# Altium PCB LimePSB-RPCM_1v5.PcbDoc (part 6 of 12) (continued)
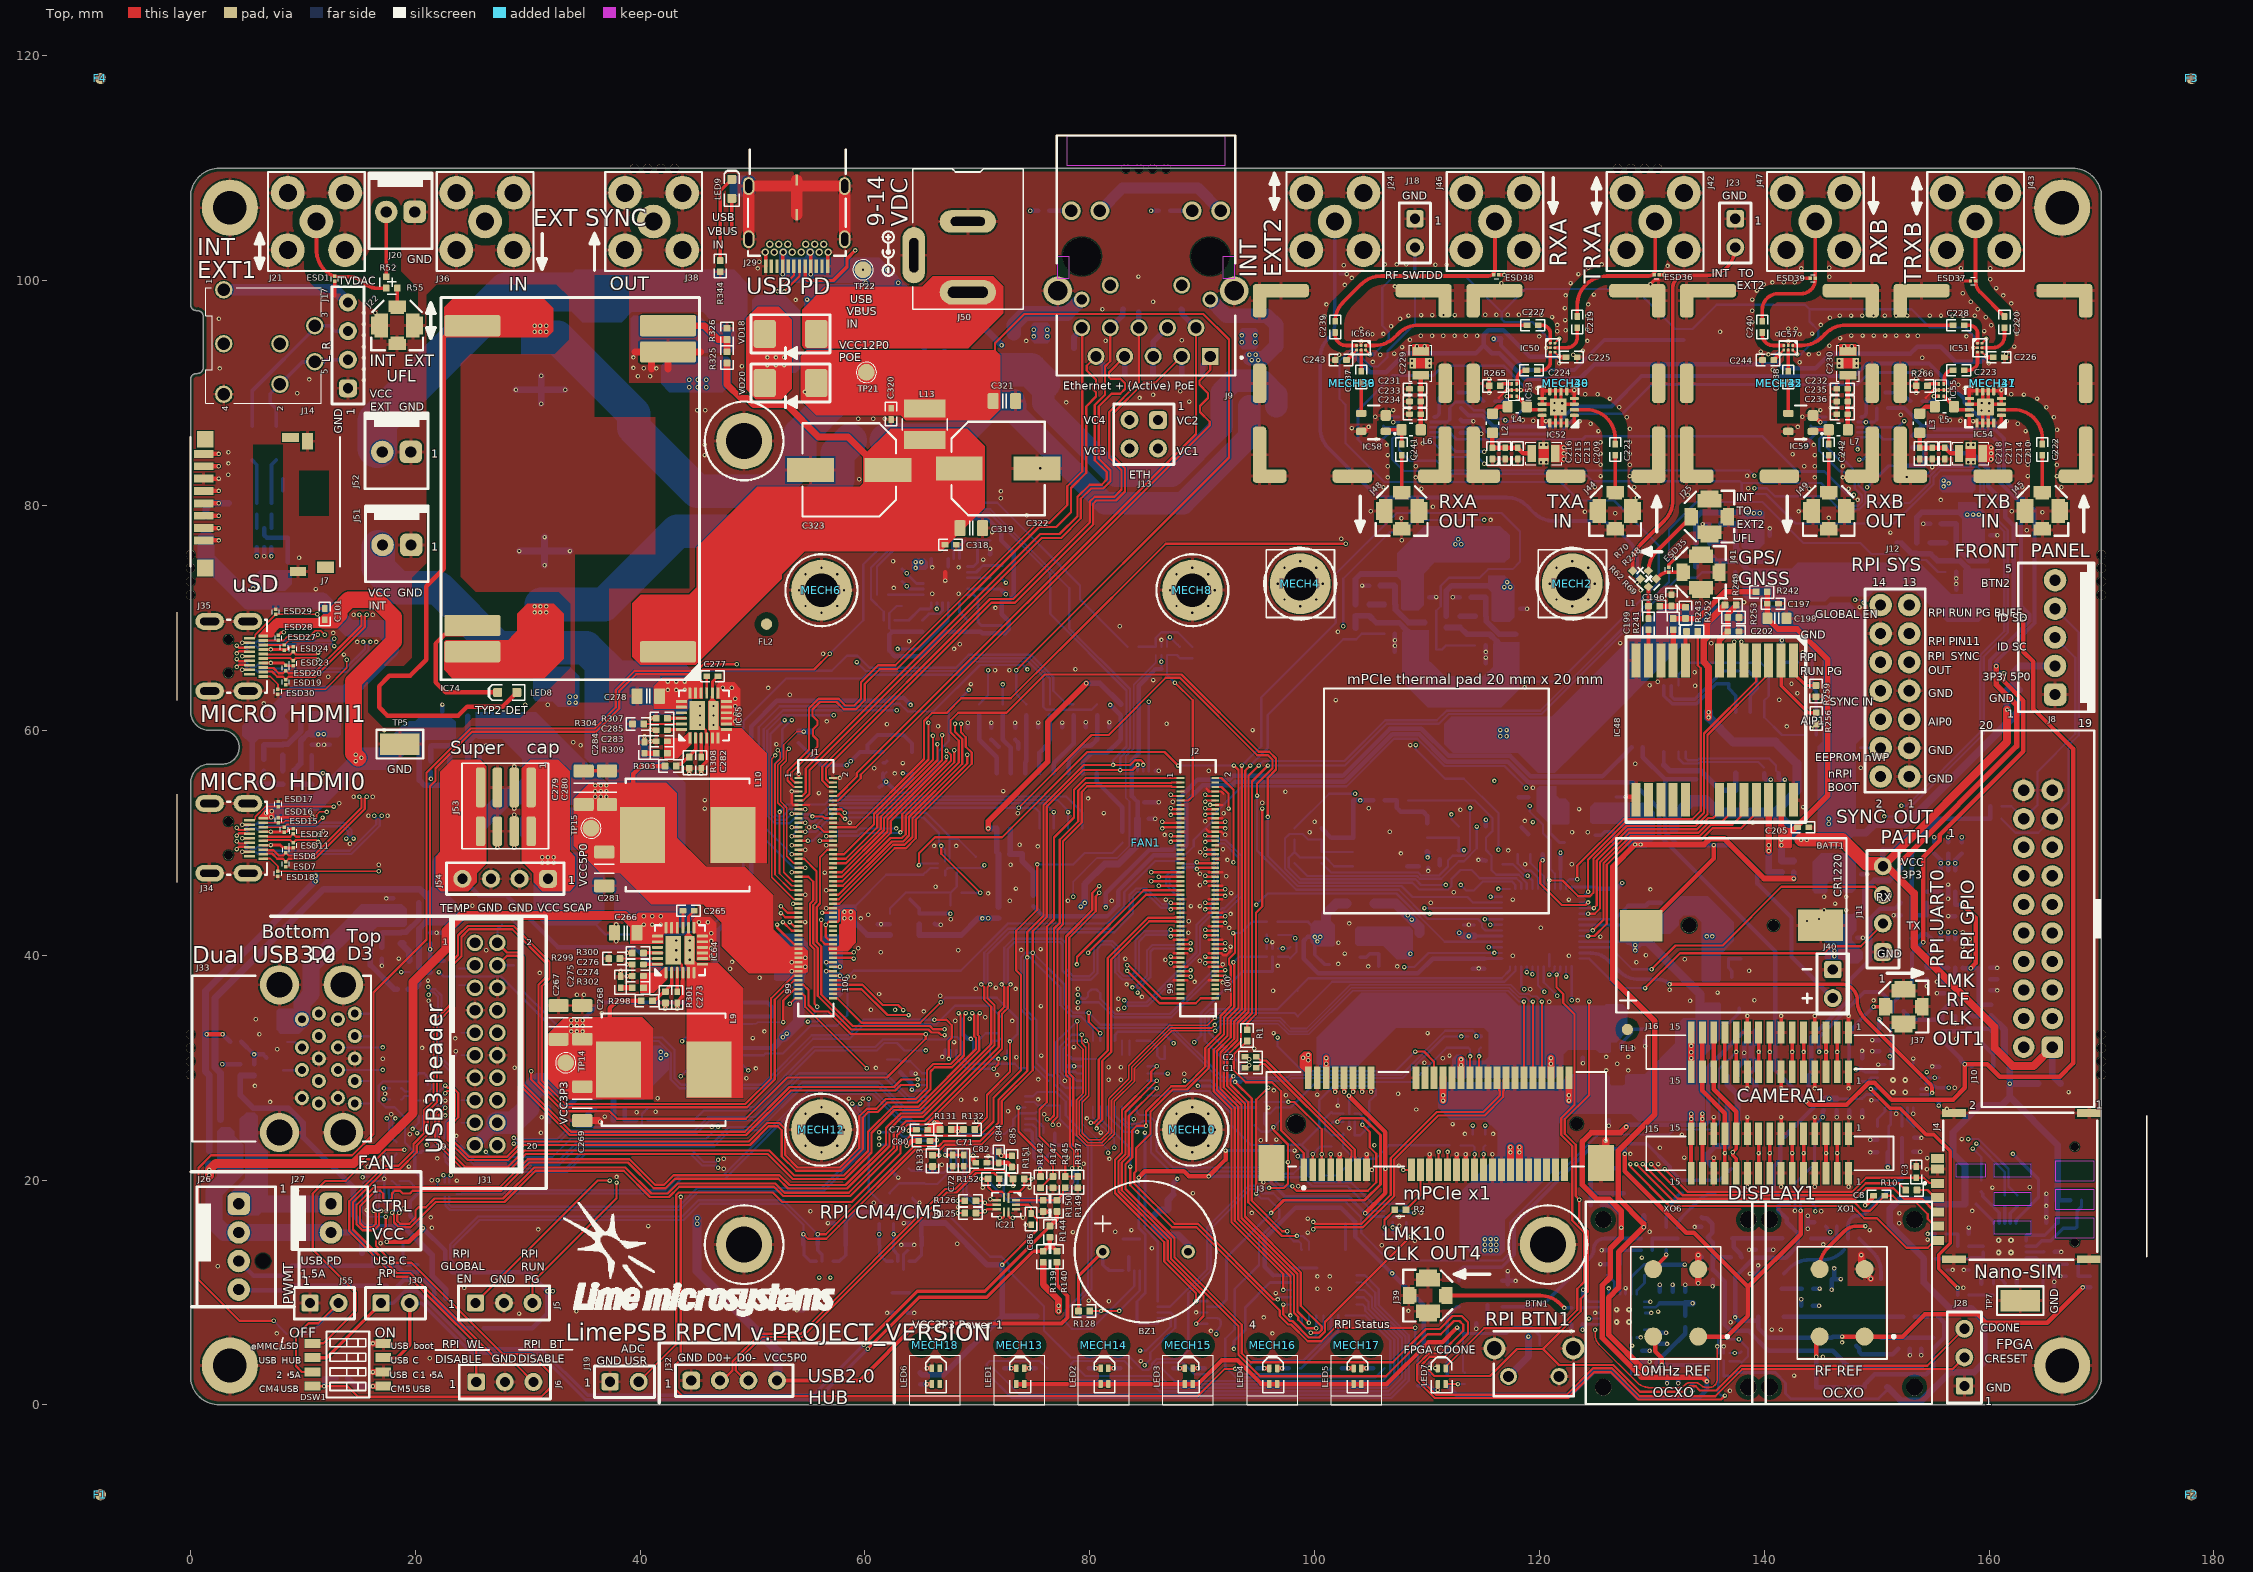
[diagram p0: Top view]
## Nets (pads, with @x,y where several pads share a name; then routed paths per layer and width w, separated by ;. In a path a pad name is that pad's centre, name@x,y a point inside that pad or via, vN(x,y) a via of type N, cw(c..) or ccw(c..) an arc to the next point about the centre after c; other vN are vias at no path point) (continued)
  Bottom w0.5: v1(134.125,13.325) 134.2,13.325 C134.1@134.4,13.125
  Bottom w0.6: v1(28.95,90.3) v1(33.325,90.3) ; v1(29.25,75.95) C309.1@31.5,75.95 ; v1(31.2,89.05) C301.1@31.2,90.3 v1(31.2,91.55) ; v1(31.5,74.7) C309.1@31.5,75.95 ; v1(31.5,77.2) C309.1@31.5,75.95 ; v1(33.75,75.95) C309.1@31.5,75.95
  other v1: 136.95,1.25 142.65,2.6 110.725,3.275 84.525,3.9 21.275,4.15 145.225,4.275 129.8,4.824 110.8,5 146.925,5.55 30.15,5.6 129.025,6 7.675,6.35 96.25,6.35 90.775,6.575 140.675,6.7 141.475,6.7 137,7.35 95.475,7.775 122.2,8.075 29.225,8.125 124.954,8.174 130.55,8.3 34.325,8.325 108.35,8.35 81.7,9.225 79.9,9.275 45.1,9.525 96.55,9.95 100.25,10.325 101.35,10.325 126.165,10.36 24.35,10.4 157.725,10.425 27.95,10.725 134.125,10.825 100.25,11.425 101.35,11.425 2.425,12.325 129.125,13.1 125.529,13.75 85.525,13.925 105.975,14.2 145.25,14.275 68.2,14.325 16.9,14.375 108.925,14.6 154.525,14.7 99.4,15.325 78.5,15.375 82.275,15.4 129.8,15.4 83.7,15.55 149.375,15.55 30.925,15.6 21.475,15.75 40.725,15.9 107.55,15.925 74.3,16 152,16.15 99.4,16.575 74.05,16.65 21.375,16.675 165.1,16.7 152.025,17.05 94.4,17.075 109.475,17.075 55.15,17.225 145.075,17.225 158.5,17.25 15.675,17.325 18.975,17.5 68.3,17.6 165.1,17.7 60.775,17.975 64.85,18 89.175,18.825 9.5,19.025 74.65,19.325 160.3,19.325 70.475,19.331 163.625,19.35 98.55,19.45 95.45,19.8 23.7,19.95 21.45,19.975 37.9,20.275 154.475,20.95 47.425,21 15.775,21.175 19.425,21.2 107.5,21.275 66.825,21.35 130.575,21.425 79.45,21.45 65,21.675 17.15,21.75 81.75,21.875 47.425,21.9 21.95,21.925 154.5,21.95 78.05,22 132.875,22 70.95,22.1 115.825,22.3 128.1,22.325 74.525,22.375 130.725,22.875 105.325,23.1 95.2,23.55 96.6,23.6 157.575,23.65 61.25,23.7 153.986,23.749 132.675,24.05 19.5,24.075 113.375,24.1 115.875,24.1 31.175,24.2 80.975,24.225 46.375,24.75 77.238,24.922 112.275,24.975 69.9,25.225 79.75,25.475 31.225,25.575 36.85,25.65 17.85,25.85 75.95,25.85 151.749,25.889 39.675,26.025 41.375,26.075 72.725,26.125 109.05,26.275 156.25,26.325 95.887,26.45 7.075,26.95 20.9,27.075 149.539,27.101 68.55,27.15 75.4,27.175 69.875,27.2 58.575,27.25 59.8,27.25 41.55,27.275 97.45,27.55 100.225,27.6 17.3,27.675 107.425,27.675 167.075,27.825 96.375,27.975 154.461,28.101 156.95,28.2 5.725,28.375 77.775,28.825 81.675,28.925 82.775,28.925 75.425,28.95 49.45,29.05 71.775,29.35 88.4,29.45 125.95,29.75 127.9,29.75 50.3,29.925 60.975,29.975 28.825,30 81.675,30.025 82.775,30.025 150.139,30.274 126.925,30.35 109.775,30.425 17.1,30.8 111.4,30.825 153.249,30.811 73.475,30.925 125.95,30.95 127.9,30.95 75.675,31.075 112,31.075 138.225,31.325 149.614,31.451 7.725,31.625 94.625,31.7 20.6,31.75 78.575,31.825 67.925,32.275 157.075,32.575 23.55,32.6 50.025,32.625 6.125,32.975 96.35,33.075 110.05,33.075 51.05,33.225 73.1,34.15 68.025,34.175 5.8,34.3 69.3,34.35 70.7,34.475 36.6,34.85 65.225,35 60.525,35.15 62.675,35.15 82.55,35.2 78.95,35.275 75.65,35.475 120.875,35.85 21.175,35.95 133.4,35.95 123.4,35.975 149.725,35.975 139.125,36 82.55,36.125 84.639,36.286 66.7,36.4 34.375,36.475 35,36.475 61.25,36.55 155.363,36.625 135.85,36.675 96.3,36.85 131.575,36.925 119.175,36.975 73.4,37 69.85,37.025 78.95,37.025 71.65,37.125 83.275,37.4 32.475,37.525 91.825,37.575 89.325,37.625 21.125,37.75 50.625,38 59.05,38.075 31.075,38.425 138.65,38.625 48,38.8 114.6,38.825 104.775,39 107.35,39 96.725,39.05 91.825,39.175 102.1,39.225 128.625,39.375 48.175,39.4 89.775,39.5 86.725,39.6 132.925,39.65 83.175,39.675 18.525,39.7 46.325,39.925 117.625,39.95 122.625,39.95 129.475,40 102.675,40.15 61.4,40.275 26.3,40.45 68.3,40.45 73.9,40.475 75.625,40.55 46.325,40.6 59.4,40.625 102.125,41.1 46.325,41.275 125.425,41.65 10.95,41.725 46.325,41.95 88.775,42 92.4,42.425 120.125,42.45 113.725,42.7 103.075,42.825 45.225,42.925 46.025,42.925 54.675,42.95 88.8,43.025 67.625,43.2 59.625,43.275 156.366,43.487 60.3,43.6 92.525,43.675 145.325,44 147.275,44 89,44.375 89.8,44.375 25.075,44.4 146.3,44.6 110.325,44.675 72.875,44.85 78.05,44.85 81.95,44.85 86.75,44.95 117.625,44.95 122.625,44.95 145.325,45.2 147.275,45.2 70.95,45.5 92.575,45.525 112.375,45.6 129.875,45.85 73.425,45.925 66.275,46.1 89.8,46.225 92.15,47.025 89.8,47.25 56.425,47.35 16.75,48.05 72.95,48.05 118.725,48.1 122.875,48.1 92.25,48.475 107.675,49.05 89.825,49.15 117.225,49.325 91.85,49.425 75.375,49.675 10.925,49.725 66.15,49.725 68.125,49.725 73.75,49.825 14.175,49.925 86.65,50.7 92.05,50.725 99.55,50.95 122.9,50.95 124.296,50.95 106.675,50.975 11.825,51.025 55.025,51.375 138.975,51.775 58.65,51.8 100,51.875 90.275,51.925 118.7,51.95 15.825,52.4 17.525,52.4 73.6,52.625 91.9,52.625 81.25,52.65 112.975,52.95 123.525,53 45.75,53.05 104.825,53.075 143.45,53.175 13.225,53.525 95.35,53.575 87.375,53.65 45.75,53.8 79.85,53.95 14.5,54.1 16.2,54.1 55.9,54.425 97.4,54.55 72.3,54.6 119.421,54.9 62.65,56.175 90.575,56.4 60.825,56.625 148.575,56.675 128.525,57.025 63.35,57.1 26.25,58.625 26.75,58.625 34.7,58.675 108.5,58.7 11.375,58.725 11.875,58.725 52.125,58.775 34.05,58.95 17.25,60.025 94.475,60.025 144.175,60.175 142,60.35 66.5,60.375 61.95,60.55 86.825,60.6 48.45,60.8 56.6,60.8 48.45,61.475 48.45,62.15 31.775,62.275 29.775,62.3 101.875,62.7 141.325,62.725 48.45,62.825 53.3,63.175 142.95,63.3 51.4,63.775 47.35,63.8 48.15,63.8 118.675,63.85 133.85,63.975 129.8,64.025 69.425,64.125 142.425,64.15 130.525,64.325 85.65,64.475 12.25,64.775 133.8,65.175 71.575,65.35 72.85,65.35 78.725,65.45 115.227,66.485 13.65,66.75 56.275,66.825 143.425,66.975 115.227,66.985 67.925,67.25 107.15,67.525 68.425,67.675 135.275,67.75 127.2,67.775 14.825,67.875 16.525,67.875 63.925,67.925 107.15,68.025 12.7,68.675 102.075,68.775 82.675,69.275 14.5,70.3 16.2,70.3 71.6,70.9 148.475,70.975 138.2,71.4 65.975,72.15 68.325,72.15 129,72.475 128.275,72.525 11.15,72.575 62.55,72.675 137.437,72.998 157.075,73.025 137.437,73.498 157.075,73.525 65.975,74.5 68.325,74.5 62.5,75.05 70.525,75.2 9.65,75.35 107.75,76.925 102.375,77.05 151.225,77.6 71.3,77.65 163.35,77.8 115.65,78.725 107.725,78.875 145.75,78.9 74.375,79.15 126.75,79.325 164.75,79.4 124.05,79.45 143.05,79.475 105,79.5 162.025,79.5 110.525,79.9 148.3,80.5 155.7,80.5 72.075,80.65 128.675,80.7 133.2,80.95 72.1,81.275 109.5,81.5 144,81.5 147.5,81.5 138.575,81.55 106.125,81.625 124.94,81.625 128.44,81.625 162.94,81.625 166.44,81.625 59.5,82.35 106.5,82.5 144.5,82.5 152.675,82.55 125.44,82.625 163.44,82.625 166.04,82.625 138.475,82.65 3.35,82.75 75.6,83.325 154.95,83.425 106.5,83.5 109,83.5 143.55,83.5 144.5,83.5 147,83.5 125.44,83.625 128.04,83.625 163.44,83.625 166.04,83.625 116.4,83.725 3.375,83.75 120.15,83.862 120.6,83.862 158.15,83.862 158.6,83.862 45.725,84.5 106.5,84.5 109,84.5 144.5,84.5 147,84.5 142.525,84.575 125.44,84.625 128.04,84.625 163.44,84.625 166.04,84.625 3.375,84.75 106.4,85.4 120.15,85.412 120.6,85.412 144.4,85.4 158.15,85.412 158.6,85.412 45.725,85.425 109,85.5 147,85.5 109.6,85.525 125.44,85.625 128.04,85.625 163.44,85.625 166.04,85.625 105.5,85.9 143.5,85.9 125.25,86.625 163.25,86.625 166.05,86.75 128.05,86.825 103.3,86.9 142.975,87 124.55,87.275 162.55,87.275 123.575,87.5 161.575,87.5 119.45,87.55 157.45,87.55 118.525,87.6 156.525,87.6 59.4,87.725 60.725,87.725 61.75,87.725 127.775,87.85 155.7,87.85 165.775,87.85 105.4,87.9 117.675,87.9 143.4,87.9 152.15,88.075 122,88.425 160,88.425 121.325,88.45 159.325,88.45 45.075,88.475 45.8,88.475 107,88.5 145,88.5 108.425,88.675 145.925,88.725 127.1,88.75 165.1,88.75 122.025,89.1 160.025,89.1 121.35,89.125 159.35,89.125 77.9,89.175 88.85,89.25 126.275,89.525 164.275,89.525 84.425,89.575 108.4,89.8 85.625,89.85 163.1,89.875 124.075,89.9 125.175,89.9 161.975,89.9 9.5,90 88.05,90.175 49.1,90.25 155.2,90.275 119.825,90.425 157.825,90.425 15.425,91.15 10.55,91.225 39.8,91.5 40.875,91.5 102.875,91.9 154.075,92.013 140.75,92.075 15.425,92.15 2.6,92.2 41.45,92.2 40.325,92.225 39.4,92.25 49.05,92.4 108.665,92.438 110.215,92.438 146.665,92.438 148.215,92.438 121.75,92.65 159.975,92.65 143.14,92.753 105.175,92.775 108.665,92.888 110.215,92.888 146.665,92.888 148.215,92.888 15.425,93.15 154.05,93.15 39.4,93.175 102.175,93.425 105.85,93.425 123,93.425 140.375,93.45 143.975,93.45 161.525,93.5 107.075,93.525 144.85,93.525 139.7,93.7 123.875,93.775 107.775,94.1 15.425,94.15 162.25,94.15 145.8,94.225 74.35,94.65 124.275,94.65 81.4,94.675 88.175,94.7 108.475,94.75 146.75,94.9 119.985,95.05 157.985,95.05 109.45,95.1 110.45,95.1 111.45,95.1 112.45,95.1 113.45,95.1 114.45,95.1 153.65,95.1 147.75,95.125 148.75,95.125 149.75,95.125 150.75,95.125 151.75,95.125 152.75,95.125 15.425,95.15 105.14,95.233 141.14,95.233 143.14,95.233 106.125,95.275 144.25,95.3 162.475,95.3 136.075,95.475 121.575,95.5 159.575,95.525 122.325,95.6 124.25,95.673 104.14,95.75 142.14,95.75 142.8,95.75 106.8,95.95 160.2,96.05 121.575,96.075 145.025,96.075 15.425,96.15 162.5,96.2 138.925,96.325 122.3,96.5 2.525,96.625 107.6,96.625 145.85,96.7 159.701,96.764 121.125,96.775 100.875,96.825 108.35,96.9 124.25,96.875 146.725,96.9 147.725,96.9 148.725,96.9 149.725,96.9 150.725,96.9 151.725,96.9 152.725,96.9 154.725,96.9 155.725,96.9 157.725,96.9 158.725,96.9 109.475,96.95 110.475,96.95 111.475,96.95 112.475,96.95 115.175,96.975 116.175,96.975 117.175,96.975 118.175,96.975 119.175,96.975 120.175,96.975 15.425,97.15 16.425,97.15 162.45,97.15 138.925,97.325 81.125,97.475 158.994,97.471 122.275,97.575 101.05,97.9 124.35,97.9 161.976,97.989 85.625,98.125 158.375,98.125 53.825,98.3 138.925,98.325 122.325,98.7 161.269,98.696 124.85,98.775 157.65,98.9 139.35,99.125 160.65,99.35 107.15,99.5 102.675,99.625 139.975,99.675 116.625,99.775 122.775,99.8 140.725,99.85 141.725,99.85 142.725,99.85 160.1,100.125 143.397,100.213 103.3,100.25 145.8,100.35 84.325,100.375 123.475,100.6 50.45,101.1 143.3,101.1 157.5,101.125 160.1,101.125 124.35,101.15 145.775,101.15 131.4,101.325 102.6,101.375 110.75,101.425 111.75,101.425 106.25,101.45 107.3,101.45 108.15,101.45 125.55,101.45 50.6,101.7
  other v2: 126.864,7.374 127.964,7.374 126.864,8.474 127.964,8.474 160.85,13.55 161.95,13.55 160.85,14.65 161.95,14.65 151.45,27.8 152.55,27.8 151.45,28.9 152.55,28.9 43.2,39.6 43.2,40.45 43.2,41.3 45.325,60.475 45.325,61.325 45.325,62.175
"GNSS _DDC_SCL": IC18.28 IC48.19 | length 20.8
  Top w0.2: v1(124.325,43.7) 124.916,43.7 125.4,44.184 125.4,48.303 127.997,50.9 134.148,50.9 135.148,51.9 136.275,51.9 136.8,52.425 136.8,53.525 IC48.19@137.1,53.825
  Bottom w0.2: IC18.28@123.575,43.7 v1(124.325,43.7)
"GNSS _DDC_SDA": IC18.27 IC48.18 | length 19.4
  Top w0.2: v1(124.85,44.2) 125.1,44.45 125.1,48.427 127.873,51.2 134.024,51.2 135.024,52.2 135.45,52.2 135.675,52.425 135.7,52.425 136,52.725 IC48.18@136,53.825
  Bottom w0.2: IC18.27@123.575,44.2 v1(124.85,44.2)
GNSS_EXTINT: IC18.25 IC48.4 | length 31.3
  Top w0.2: v1(124.325,45.65) 124.325,48.501 127.624,51.8 133.775,51.8 134.65,52.675 134.65,59.724 139.3,64.374 IC48.4@139.3,66.225
  Bottom w0.2: IC18.25@123.575,45.2 123.875,45.2 v1(124.325,45.65)
GNSS_RESET: IC18.23 R252.1 | length 32
  Top w0.2: v1(123.375,46.75) 123.375,47.975 127.5,52.1 133.599,52.1 134.35,52.851 134.35,65.525 134.075,65.8 R252.1@134.075,68.8
  Bottom w0.2: IC18.23@122.375,45.9 122.375,46.45 122.675,46.75 v1(123.375,46.75)
GNSS_RF_IN: C199.1 L1.1 R69.2 R248.2 | length 2.8
  Top w0.325: C199.1@129.7,69.95 R248.2@129.7,72.775
GNSS_TPULSE: IC18.20 IC48.3 | length 36.1
  Top w0.2: v1(120.875,46.65) 122.05,46.65 123.45,45.25 124.491,45.25 124.8,45.559 124.8,48.551 127.749,51.5 133.899,51.5 134.95,52.551 134.95,59.6 140.4,65.05 IC48.3@140.4,66.225
  Bottom w0.2: IC18.20@120.875,45.9 v1(120.875,46.65)
GNSS_UART_RX: IC18.32 IC48.21 | length 24.5
  Top w0.2: v1(124.325,41.7) 124.9,41.7 126,42.8 126,48.054 128.246,50.3 134.396,50.3 135.396,51.3 137.934,51.3 139,52.366 139,53.525 IC48.21@139.3,53.825
  Bottom w0.2: IC18.32@123.575,41.7 v1(124.325,41.7)
GNSS_UART_TX: IC18.31 IC48.20 | length 23.1
  Top w0.2: v1(124.75,42.2) 125.7,43.15 125.7,48.179 128.121,50.6 134.272,50.6 135.272,51.6 137.15,51.6 137.9,52.35 137.9,53.525 IC48.20@138.2,53.825
  Bottom w0.2: IC18.31@123.575,42.2 v1(124.75,42.2)
GNSS_USB_D_N: IC48.5 R138.1 | length 106.2
  Top w0.2: v1(78.425,21.05) 78.425,21.07 78.622,21.267 78.622,22.252 78.625,22.254 78.625,22.601 78.225,23.001 78.225,29.001 77.875,29.351 77.875,41.675 80.225,44.025 80.225,45.534 v1@80.841,46.15 ; IC48.5@137.968,67.557 138.2,67.325 IC48.5@138.2,66.225
  Top w0.32: IC48.5@137.968,67.557 v1(137.968,67.893)
  L4 w0.1: v1(80.836,46.15) 80.845,46.15 81.045,45.95 83.207,45.95 83.224,45.933 83.407,45.75 86.267,45.75 86.492,45.975 88.308,45.975 88.708,45.575 90.512,45.575 91.512,46.575 93.8,46.575 102.225,55 102.45,55.225 113.217,55.225 115.217,57.225 121.942,57.225 133.58,68.862 137.395,68.862 137.75,68.508 137.75,68.111 v1(137.968,67.893)
  Bottom w0.2: R138.1@72.075,20.3 72.35,20.025 72.35,18.934 72.934,18.35 77.151,18.35 78.625,19.824 78.625,20.85 v1(78.425,21.05)
GNSS_USB_D_P: IC48.6 R136.1 | length 106.5
  Top w0.2: v1(79.125,21.056) 79.125,21.071 78.922,21.273 78.922,22.127 78.925,22.13 78.925,22.725 78.525,23.125 78.525,29.125 78.175,29.475 78.175,41.551 80.525,43.901 80.525,45.234 v1@80.841,45.55 ; IC48.6@137.1,66.225 137.1,67.325 IC48.6@137.332,67.557
  Top w0.32: IC48.6@137.332,67.557 v1(137.332,67.893)
  L4 w0.1: v1(80.836,45.55) 80.845,45.55 81.045,45.75 83.124,45.75 83.141,45.733 83.324,45.55 84.957,45.55 86.35,45.55 86.575,45.775 88.225,45.775 88.625,45.375 90.595,45.375 91.595,46.375 93.883,46.375 102.533,55.025 113.3,55.025 115.3,57.025 122.025,57.025 133.662,68.662 137.313,68.662 137.55,68.425 137.55,68.111 v1(137.332,67.893)
  Bottom w0.2: R136.1@70.975,20.3 71.159,20.116 71.159,19.7 72.809,18.05 77.275,18.05 78.925,19.7 78.925,20.856 v1(79.125,21.056)
GNSS_USB_VDD: C202.1 IC48.7 R249.2 R253.2 | length 5.5
  Top w0.5: IC48.7@136,66.225 136,68.025 136.75,68.775 C202.1@136.75,68.8 R253.2@136.75,70.05 136.8,70.1 136.8,70.39 137.45,71.04 137.45,71.1 R249.2@137.5,71.15
GNSS_VCC_RF: IC48.9 R241.2 | length 2.7
  Top w0.5: IC48.9@131.9,66.225 R241.2@131.9,68.95
HDMI0_CEC: ESD15.1 J2.51 J34.15 | length 92.8
  Top w0.15: J34.15@6.475,51.398 ESD15.1@8.325,51.398 8.552,51.625 11.125,51.625 v1(11.75,52.25)
  Top w0.2: v1(78.858,39.175) 78.858,39.833 84.8,45.775 J2.51@88.085,45.775
  L3 w0.1: v1(11.75,52.25) 12.65,51.35 12.65,50.367 18.267,44.75 28.925,44.75 36.625,37.05 60.424,37.05 61.824,38.45 78.133,38.45 v1(78.858,39.175)
HDMI0_CLK_N: ESD14.1 J2.90 J34.14 | length 98.8
  Top w0.2: v1(4.121,51.348) 4.321,51.148 4.89,51.148 4.94,51.198 J34.14@5.25,51.198 ; J2.90@91.165,38.175 91.95,38.175 v1(92.05,38.075)
  L3 w0.1: 88.013,40.388 88.526,39.875 89.55,39.875 89.925,40.25 90.525,40.25 91.25,39.525 91.25,38.575 91.55,38.275 91.841,38.275 92.041,38.075 v1(92.05,38.075)
  L3 w0.15: v1(14.5,50.375) 14.5,50.388 14.3,50.588 14.3,51.01 14.515,51.225 15.6,51.225 16.8,50.025 30.225,50.025 30.725,49.525 40.396,49.525 48.846,41.075 86.425,41.075 86.625,40.875 87.526,40.875 88.013,40.388
  Bottom w0.2: v1@4.118,51.348 4.318,51.148 4.748,51.148 5.225,51.625 5.825,51.625 ESD14.1@5.975,51.775 5.975,51.77 6.132,51.613 6.5,51.613 6.663,51.775 13.674,51.775 14.325,51.124 14.325,50.55 v1(14.5,50.375)
HDMI0_CLK_P: ESD13.1 J2.88 J34.12 | length 98.8
  Top w0.2: v1(4.119,50.648) 4.319,50.848 4.89,50.848 4.94,50.798 J34.12@5.25,50.798 ; J2.88@91.165,38.575 91.95,38.575 v1(92.05,38.675)
  L3 w0.1: 88.2,40.575 88.7,40.075 89.467,40.075 89.842,40.45 90.608,40.45 91.075,39.983 91.45,39.608 91.45,38.658 91.633,38.475 91.841,38.475 92.041,38.675 v1(92.05,38.675)
  L3 w0.15: v1(13.85,50.375) 13.85,50.388 14.05,50.588 14.05,51.114 14.411,51.475 15.704,51.475 16.904,50.275 30.329,50.275 30.829,49.775 40.499,49.775 48.949,41.325 86.529,41.325 86.729,41.125 87.65,41.125 88.2,40.575
  Bottom w0.2: v1(4.119,50.648) 4.319,50.848 4.873,50.848 5.349,51.325 5.8,51.325 ESD13.1@5.975,51.15 5.975,51.155 6.132,51.313 6.638,51.313 6.8,51.475 13.55,51.475 14.025,51 14.025,50.55 v1(13.85,50.375)
HDMI0_D0_N: ESD12.1 J2.84 J34.11 | length 98.9
  Top w0.2: J34.11@6.475,50.598 6.785,50.598 6.835,50.548 8.873,50.548 ESD12.1@9.123,50.798 ; ESD12.1@9.127,50.798 9.377,50.548 11.173,50.548 v1(11.348,50.723) ; v1(90.28,39.275) 90.38,39.375 J2.84@91.165,39.375
  L3 w0.1: 87.046,40.525 87.5,40.525 88.6,39.425 89.233,39.425 90.333,38.325 90.625,38.325 90.825,38.525 90.825,39.375 90.725,39.475 90.489,39.475 90.289,39.275 v1(90.28,39.275)
  L3 w0.15: v1(11.348,50.723) 11.361,50.723 11.561,50.523 11.721,50.523 12.176,50.523 12.535,50.164 12.535,49.432 11.8,48.696 11.8,48.2 15.775,44.225 23.904,44.225 24.154,43.975 28.854,43.975 36.279,36.55 58.454,36.55 59.004,36 61.3,36 63.475,38.175 84.875,38.175 85.625,38.925 85.625,40.079 86.071,40.525 87.046,40.525
HDMI0_D0_P: ESD11.1 J2.82 J34.9 | length 99.6
  Top w0.2: J34.9@6.475,50.198 6.785,50.198 6.835,50.248 8.875,50.248 ESD11.1@9.125,49.998 9.375,50.248 11.173,50.248 v1(11.348,50.073) ; v1(90.28,39.875) 90.38,39.775 J2.82@91.165,39.775
  L3 w0.1: 87.046,40.275 87.467,40.275 88.517,39.225 89.15,39.225 90.009,38.366 90.25,38.125 90.708,38.125 91.025,38.442 91.025,38.692 91.025,39.458 90.808,39.675 90.489,39.675 90.289,39.875 v1(90.28,39.875)
  L3 w0.15: v1(11.348,50.073) 11.361,50.073 11.561,50.273 11.825,50.273 12.072,50.273 12.285,50.06 12.285,49.535 11.55,48.8 11.55,48.096 15.671,43.975 23.8,43.975 24.05,43.725 28.75,43.725 36.175,36.3 58.35,36.3 58.9,35.75 61.404,35.75 63.579,37.925 84.979,37.925 85.875,38.821 85.875,39.975 86.175,40.275 87.046,40.275
HDMI0_D1_N: ESD10.1 J2.78 J34.8 | length 98.7
  Top w0.2: v1(4.121,50.148) 4.321,49.948 4.89,49.948 4.94,49.998 J34.8@5.25,49.998 ; J2.78@91.165,40.575 91.95,40.575 v1(92.05,40.475)
  L3 w0.1: 87.125,42.675 87.317,42.675 88.542,41.45 89.3,41.45 89.675,41.075 91.05,41.075 91.45,40.675 91.841,40.675 92.041,40.475 v1(92.05,40.475)
  L3 w0.15: v1(16.35,52.4) 16.35,52.387 16.55,52.187 16.55,51.696 17.421,50.825 30.571,50.825 31.071,50.325 40.746,50.325 49.496,41.575 84.904,41.575 86.004,42.675 87.125,42.675
  Bottom w0.2: v1@4.118,50.148 4.318,49.948 4.871,49.948 5.348,49.472 5.798,49.472 ESD10.1@5.973,49.647 5.973,49.642 6.131,49.484 6.783,49.484 6.967,49.3 14.175,49.3 16.525,51.65 16.525,52.225 v1(16.35,52.4)
HDMI0_D1_P: ESD9.1 J2.76 J34.6 | length 98.8
  Top w0.2: v1(4.119,49.448) 4.319,49.648 4.89,49.648 4.94,49.598 J34.6@5.25,49.598 ; J2.76@91.165,40.975 91.95,40.975 v1(92.05,41.075)
  L3 w0.1: 87.125,42.925 87.35,42.925 88.625,41.65 89.383,41.65 89.758,41.275 91.133,41.275 91.533,40.875 91.841,40.875 92.041,41.075 v1(92.05,41.075)
  L3 w0.15: v1(17,52.4) 17,52.387 16.8,52.187 16.8,51.8 17.525,51.075 30.675,51.075 31.175,50.575 40.85,50.575 49.6,41.825 84.8,41.825 85.9,42.925 87.125,42.925
  Bottom w0.2: v1@4.116,49.448 4.316,49.648 4.747,49.648 5.223,49.172 5.823,49.172 ESD9.1@5.973,49.022 5.973,49.027 6.131,49.184 6.659,49.184 6.843,49 14.299,49 16.825,51.526 16.825,52.225 v1(17,52.4)
HDMI0_D2_N: ESD8.1 J2.72 J34.5 | length 99.5
  Top w0.2: J34.5@6.475,49.398 6.785,49.398 6.835,49.348 7.376,49.348 7.849,48.875 8.225,48.875 ESD8.1@8.475,49.125 ; ESD8.1@8.478,49.125 8.728,48.875 10.95,48.875 15.2,53.125 15.2,53.925 v1(15.025,54.1) ; v1(90.28,41.675) 90.38,41.775 J2.72@91.165,41.775
  L3 w0.1: 87.5,43.175 87.675,43.175 88.4,42.45 89.05,42.45 89.625,41.875 90.071,41.875 90.271,41.675 v1(90.28,41.675)
  L3 w0.15: v1(15.025,54.1) 15.025,54.087 15.225,53.887 15.225,53.546 15.721,53.05 18.9,53.05 ccw(c18.9,53.629) 19.479,53.629 19.479,54.499 cw(c19.808,54.499) 19.808,54.828 cw(c19.808,54.499) 20.137,54.499 20.137,52.254 ccw(c20.716,52.254) 20.716,51.675 ccw(c20.716,52.254) 21.295,52.254 21.295,52.721 cw(c21.624,52.721) 21.624,53.05 25.571,53.05 26.846,51.775 30.825,51.775 31.398,51.202 41.02,51.202 50.146,42.075 84.329,42.075 85.429,43.175 87.5,43.175
HDMI0_D2_P: ESD7.1 J2.70 J34.3 | length 99.6
  Top w0.2: J34.3@6.475,48.998 6.785,48.998 6.835,49.048 7.252,49.048 7.725,48.575 8.227,48.575 ESD7.1@8.477,48.325 8.727,48.575 11.074,48.575 15.5,53.001 15.5,53.925 v1(15.675,54.1) ; v1(90.28,42.275) 90.38,42.175 J2.70@91.165,42.175
  L3 w0.1: 87.5,43.425 87.708,43.425 87.816,43.316 88.483,42.65 89.133,42.65 89.708,42.075 90.071,42.075 90.271,42.275 v1(90.28,42.275)
  L3 w0.15: v1(15.675,54.1) 15.675,54.087 15.475,53.887 15.475,53.65 15.825,53.3 18.9,53.3 ccw(c18.9,53.629) 19.229,53.629 19.229,54.499 cw(c19.808,54.499) 19.808,55.078 cw(c19.808,54.499) 20.387,54.499 20.387,52.254 ccw(c20.716,52.254) 20.716,51.925 ccw(c20.716,52.254) 21.045,52.254 21.045,52.721 cw(c21.624,52.721) 21.624,53.3 25.675,53.3 26.95,52.025 30.929,52.025 31.502,51.452 41.123,51.452 50.25,42.325 84.225,42.325 85.325,43.425 87.5,43.425
HDMI0_HPD: ESD18.1 J2.53 J34.1 | length 89.8
  Top w0.15: J34.1@6.475,48.598 7.077,48.598 7.775,47.9 ESD18.1@7.775,47.475 v1(16.75,47.475)
  Top w0.2: v1(79.85,40.225) 85,45.375 J2.53@88.085,45.375
  L3 w0.1: v1(16.75,47.475) 16.75,47.116 18.441,45.425 29.099,45.425 36.874,37.65 60.175,37.65 61.675,39.15 77.125,39.15 78.2,40.225 v1(79.85,40.225)
HDMI0_SCL: ESD16.1 J2.100 J34.17 | length 95.4
  Top w0.15: J34.17@6.475,51.798 ESD16.1@7.798,51.798 7.8,51.8 8.275,51.8 8.45,51.975 10.98,51.975 11.2,52.195 11.2,52.475 11.475,52.75 v1(12.125,52.75)
  Top w0.2: v1(83.325,38.6) 86.2,35.725 89.425,35.725 89.875,36.175 J2.100@91.165,36.175
  L3 w0.1: v1(12.125,52.75) 12.85,52.025 12.85,50.45 18.35,44.95 29.008,44.95 36.708,37.25 60.341,37.25 61.741,38.65 77.675,38.65 78.625,39.6 79.225,39.6 80.225,38.6 v1(83.325,38.6)
HDMI0_SDA: ESD17.1 J2.99 J34.18 | length 93.9
  Top w0.15: J34.18@5.25,51.998 5.635,51.998 5.675,52.038 5.675,52.05 5.75,52.125 5.75,52.305 6.67,53.225 ESD17.1@7.8,53.225 v1(12.75,53.225)
  Top w0.2: v1(83.325,39.1) 83.45,39.1 86.375,36.175 J2.99@88.085,36.175
  L3 w0.1: v1(12.75,53.225) 13.05,52.925 13.05,50.533 18.358,45.225 29.016,45.225 36.791,37.45 60.258,37.45 61.708,38.9 77.425,38.9 78.425,39.9 79.425,39.9 80.225,39.1 v1(83.325,39.1)
HDMI1_CEC: ESD27.1 J2.49 J35.15 | length 91.7
  Top w0.15: J35.15@6.475,67.598 ESD27.1@8.325,67.598 8.325,67.603 8.4,67.678 8.405,67.678 8.802,68.075 10.9,68.075 v1(11.325,68.5)
  Top w0.2: v1(86.125,46.175) J2.49@88.085,46.175
  L3 w0.1: v1(11.325,68.5) 11.325,67.634 14.109,64.85 33.292,64.85 41.142,57 46.475,57 49.55,53.925 55.05,53.925 61.975,47 84,47 84.825,46.175 v1(86.125,46.175)
HDMI1_CLK_N: ESD26.1 J2.66 J35.14 | length 104.6
  Top w0.2: v1(4.121,67.548) 4.321,67.348 4.89,67.348 4.94,67.398 J35.14@5.25,67.398 ; J2.66@91.165,42.975 91.95,42.975 v1(92.05,42.875)
  L3 w0.15: v1(12.775,68.15) 12.975,67.95 13.804,67.95 15.429,66.325 34.629,66.325 40.279,60.675 41.2,60.675 43.55,58.325 47.329,58.325 49.929,55.725 55.754,55.725 57.604,53.875 58.725,53.875 60,52.6 60,51.025 62.3,48.725 85.329,48.725 88.754,45.3 91.229,45.3 91.979,44.55 92.629,44.55 93.175,44.004 93.175,43.425 92.8,43.05 92.225,43.05 v1(92.05,42.875)
  Bottom w0.2: v1@4.118,67.548 4.318,67.348 4.748,67.348 5.225,67.825 5.825,67.825 ESD26.1@5.975,67.975 5.975,67.97 6.132,67.813 6.5,67.813 6.663,67.975 12.6,67.975 v1(12.775,68.15)
HDMI1_CLK_P: ESD25.1 J2.64 J35.12 | length 103.8
  Top w0.2: v1(4.119,66.848) 4.319,67.048 4.89,67.048 4.94,66.998 J35.12@5.25,66.998 ; J2.64@91.165,43.375 91.95,43.375 v1(92.05,43.475)
  L3 w0.15: v1(12.775,67.5) 12.975,67.7 13.7,67.7 15.325,66.075 34.525,66.075 40.175,60.425 41.096,60.425 43.446,58.075 47.225,58.075 49.825,55.475 55.65,55.475 57.5,53.625 58.621,53.625 59.75,52.496 59.75,50.921 62.196,48.475 85.225,48.475 88.65,45.05 91.125,45.05 91.875,44.3 92.525,44.3 92.925,43.9 92.925,43.529 92.696,43.3 92.225,43.3 v1(92.05,43.475)
  Bottom w0.2: v1(4.119,66.848) 4.319,67.048 4.873,67.048 5.349,67.525 5.8,67.525 ESD25.1@5.975,67.35 5.975,67.355 6.132,67.513 6.638,67.513 6.8,67.675 12.6,67.675 v1(12.775,67.5)